# Altium PCB PokeyMain.PcbDoc (part 2 of 3) (continued)
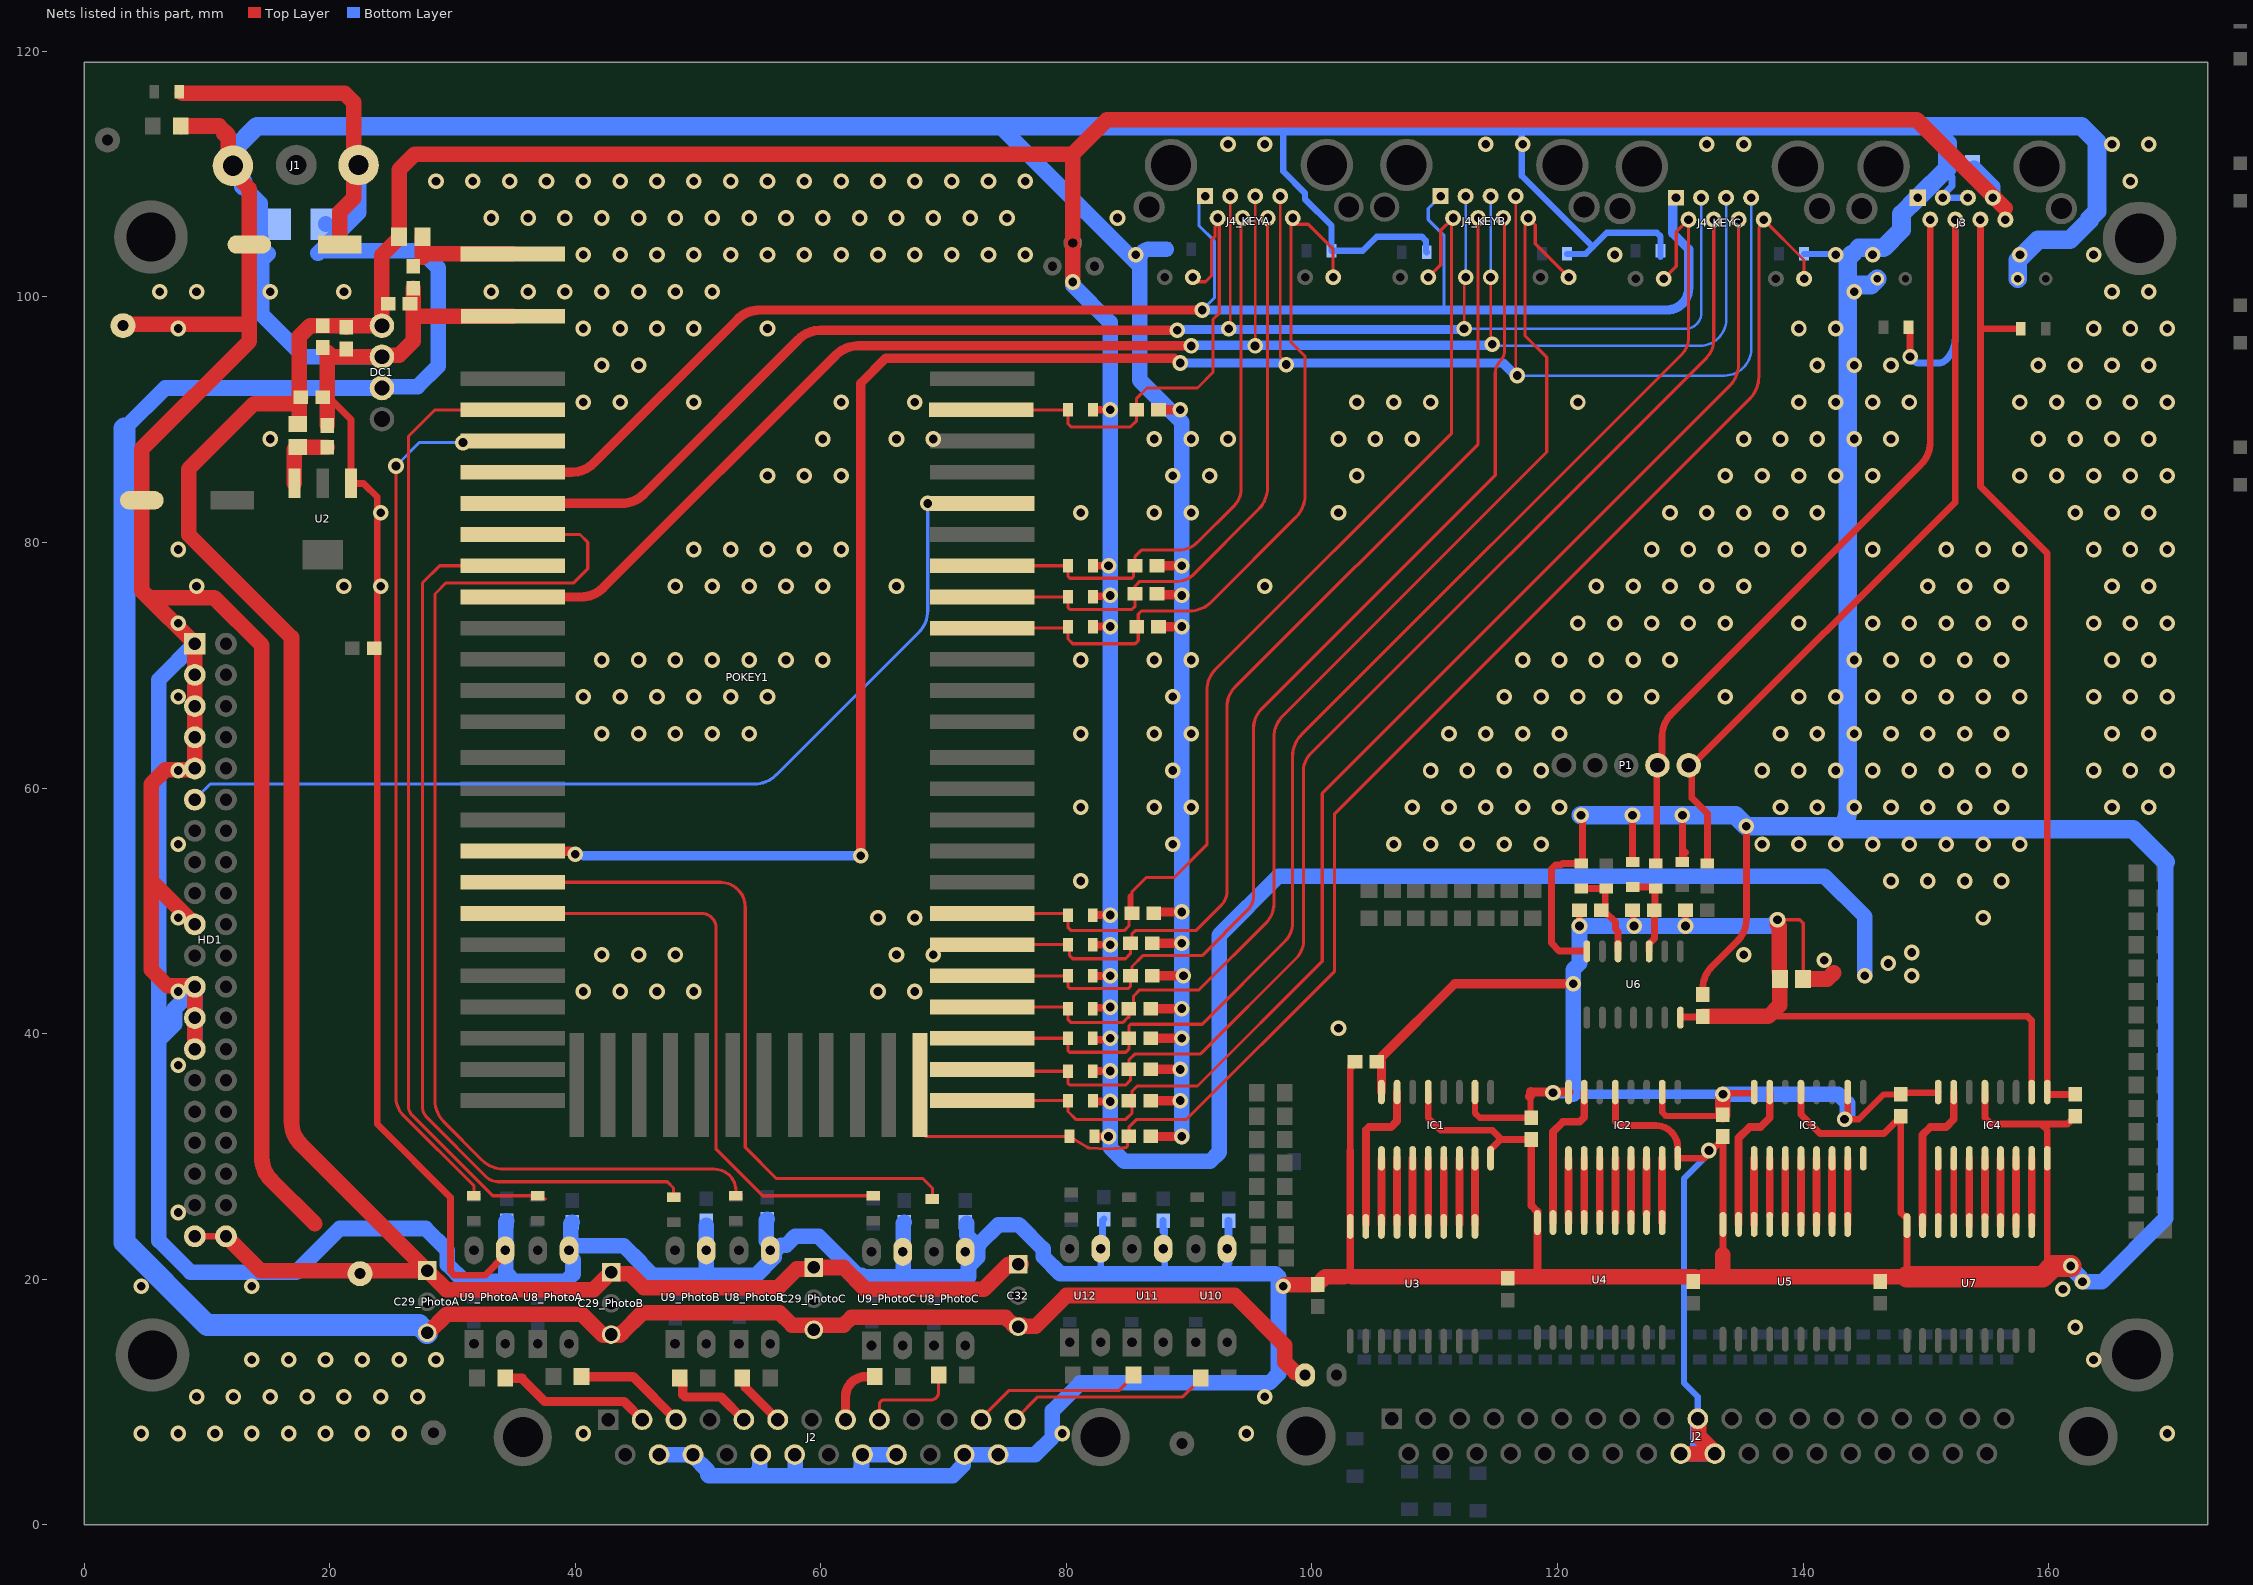
[diagram p2: the nets of this part, all layers, seen from the top]
## Nets (pads, with @x,y where several pads share a name; then routed paths per layer and width w, separated by ;. In a path a pad name is that pad's centre, name@x,y a point inside that pad or via, vN(x,y) a via of type N, cw(c..) or ccw(c..) an arc to the next point about the centre after c; other vN are vias at no path point) (continued)
  Top Layer w0.635: 102.616,20.193 103.124,20.701 103.124,24.302 103.124,30.48 ; C22.1@117.856,31.369 117.856,26.01 118.364,25.502 U4.9@118.364,24.614 118.364,20.193
  Top Layer w0.762: C28_KEYC.1@86.868,31.623 v1(89.408,31.623) ; C27_KEYC.1@86.868,34.544 v1(89.281,34.544) ; C26_KEYC.1@86.868,37.084 v1(89.281,37.084) ; C25_KEYC.1@86.868,39.624 v1(89.408,39.624) ; C28_KEYB.1@86.868,42.037 v1(89.408,42.037) ; C27_KEYB.1@86.995,44.704 v1(89.535,44.704) ; C26_KEYB.1@86.995,47.371 v1(89.408,47.371) ; C25_KEYB.1@87.122,49.784 87.249,49.911 v1(89.408,49.911) ; C27_KEYA.1@87.376,75.819 87.439,75.755 89.344,75.755 v1(89.408,75.692) ; C26_KEYA.1@87.376,78.105 v1(89.408,78.105) ; C28_KEYA.1@87.503,73.152 v1(89.408,73.152) ; C25_KEYA.1@87.503,90.805 v1(89.281,90.805)
  Top Layer w1.27: TP0V.1@3.175,97.663 3.302,97.79 13.462,97.79 ; LED1.2@7.938,113.855 7.874,113.855 LED1.2@7.874,113.919 10.993,113.919 11.737,113.175 11.737,112.929 ; HD1.27@9.017,38.735 HD1.25@9.017,41.275 HD1.23@9.017,43.815 8.92,43.912 6.761,43.912 6.097,44.576 5.461,45.212 5.461,52.451 ; HD1.19@9.017,48.895 5.461,52.451 ; 11.382,113.284 11.737,112.929 ; J1.3@12.125,110.677 J1.3@11.737,111.066 ; 18.796,24.511 15.222,28.085 cw(c17.018,29.881) 14.478,29.881 14.478,71.628 10.604,75.502 5.271,75.502 ; C10.1@19.812,89.535 19.812,91.567 19.812,95.504 20.193,95.123 DC1.2@24.257,95.123 24.397,95.263 25.667,95.263 26.797,96.393 26.797,98.425 ; C2.1@26.797,100.711 26.797,98.425 ; POKEY1.1@34.928,98.425 26.797,98.425 ; U9_PhotoB.3@50.673,22.352 U9_PhotoB.3@50.722,22.401 ; v1(97.663,19.431) 97.79,19.558 C180.2@100.457,19.558 101.092,20.193 102.616,20.193 ; 103.251,20.193 115.951,20.193 118.364,20.193 C170.1@131.191,20.193 ; J2.28@130.043,5.796 J2.29@132.813,5.796 ; J2.10@131.428,8.636 131.428,8.522 131.508,8.442 131.508,7.214 132.813,5.91 J2.29@132.813,5.796 ; 131.808,20.193 133.604,20.193 ; J2.29@132.893,5.716 J2.29@132.813,5.796 ; 133.477,21.971 133.477,20.32 133.604,20.193 ; 148.463,20.193 146.304,20.193 133.604,20.193 ; 5.271,75.502 8.763,72.009 HD1.1@9.017,71.755 HD1.9@9.017,61.595 8.92,61.498 6.634,61.498 5.461,60.325 5.461,52.451 ; 5.271,75.502 4.699,76.073 C5.2@4.699,83.439 4.699,87.63 13.462,96.393 13.462,97.79 ; J1.3@11.737,111.066 11.737,110.516 13.462,108.791 C3.2@13.462,104.267 13.462,97.79 ; J1.3@11.737,111.066 11.737,112.929
  Top Layer w1.778: 148.463,20.193 159.512,20.193 160.401,21.082 v1(161.798,21.082)
  Bottom Layer w0.508: 97.663,113.895 97.663,110.236 99.439,108.46 99.439,107.952 101.6,105.791 R27_KEYA.1@101.6,103.759 104.14,103.759 105.283,104.902 108.966,104.902 109.286,104.582 109.286,103.693 R23_KEYB.2@109.347,103.632 ; 117.094,113.895 117.094,109.855 122.872,104.076 ; R27_KEYB.1@120.777,103.505 122.301,103.505 122.872,104.076 ; R23_KEYC.2@128.397,103.251 R23_KEYC.2@128.397,103.759 128.397,104.922 128.099,105.22 124.016,105.22 122.872,104.076 ; J2.10@131.428,8.636 131.428,10.431 130.302,11.557 130.302,28.194 132.334,30.226 v2(132.334,30.48) ; R27_KEYC.1@140.081,103.505 144.022,103.505 144.53,104.013
  Bottom Layer w0.559: 82.804,20.447 U12.3@82.804,22.479 82.931,22.606 82.931,24.765 C35.1@83.058,24.892 ; C34.1@87.884,24.765 87.884,23.876 88.011,24.003 88.011,20.447 ; 92.979,20.447 92.979,21.082 ; 152.146,109.769 152.146,109.048 151.38,108.282 J3.3@151.38,108.079 J3.5@153.42,108.079
  Bottom Layer w0.635: 92.979,21.082 93.218,21.321 C33.1@93.218,24.765
  Bottom Layer w1.27: HD1.27@9.017,38.735 HD1.25@9.017,41.275 HD1.23@9.017,43.678 ; HD1.23@9.017,43.815 HD1.23@9.017,43.678 ; HD1.1@9.017,71.755 6.096,68.834 6.096,39.497 ; 12.953,109.017 14.351,107.619 14.351,104.914 14.371,104.894 14.371,104.12 14.986,103.505 14.478,102.997 14.478,98.552 17.907,95.123 DC1.2@24.257,95.123 ; C31_PhotoA.1@34.417,24.765 34.339,24.687 34.339,22.401 U9_PhotoA.3@34.29,22.352 34.339,22.303 34.339,20.525 35.052,19.812 ; U8_PhotoA.3@39.497,22.352 39.497,21.902 39.818,21.581 39.818,20.418 39.212,19.812 35.052,19.812 ; U8_PhotoA.3@39.624,22.929 39.624,24.511 C30_PhotoA.1@39.751,24.638 ; U8_PhotoA.3@40.074,22.733 43.942,22.733 45.339,21.336 45.339,21.287 46.306,20.32 50.673,20.32 ; J2.15@46.83,5.715 J2.16@49.591,5.715 49.591,5.601 50.8,4.392 50.8,4.064 50.883,3.981 54.527,3.981 ; U9_PhotoB.3@50.673,22.352 50.673,20.32 ; U9_PhotoB.3@50.673,23.045 C31_PhotoB.1@50.673,24.39 ; J2.18@55.113,5.715 55.032,5.635 55.032,4.486 54.527,3.981 ; C30_PhotoB.1@55.626,24.892 55.548,24.814 55.548,23.134 55.831,22.85 U8_PhotoB.3@55.831,22.469 ; U8_PhotoB.3@56.09,21.888 56.09,22.101 56.766,22.777 57.194,22.777 57.912,23.495 59.817,23.495 62.992,20.32 63.324,20.32 63.451,20.193 67.056,20.193 ; U8_PhotoB.3@56.197,21.78 54.737,20.32 50.673,20.32 ; J2.19@57.874,5.715 57.912,5.677 57.912,3.981 ; J2.22@66.157,5.715 J2.21@63.396,5.715 63.316,5.635 63.316,4.515 62.782,3.981 ; C31_PhotoC.1@66.802,24.638 66.724,24.56 66.724,22.274 U9_PhotoC.3@66.675,22.225 66.724,22.176 66.724,20.525 67.056,20.193 ; C30_PhotoC.1@71.882,24.56 71.882,23.564 72.771,22.675 72.771,21.775 72.027,21.031 72.027,20.193 67.056,20.193 ; 72.82,22.723 72.898,22.802 72.898,22.86 74.467,24.429 76.138,24.429 78.103,22.464 78.103,21.846 79.502,20.447 82.804,20.447 88.011,20.447 92.979,20.447 97.028,20.447 97.282,20.193 97.282,12.301 96.538,11.557 81.153,11.557 78.864,9.268 78.864,7.112 77.467,5.715 J2.25@74.44,5.715 J2.24@71.679,5.715 71.599,5.635 71.599,4.855 70.725,3.981 62.782,3.981 ; 74.591,113.895 85.979,102.507 ; R23_KEYA.2@88.138,103.886 86.794,103.886 ccw(c86.794,103.071) 85.979,103.071 85.979,102.507 ; v1(89.408,31.623) v1(89.408,39.624) v1(89.408,42.037) v1(89.408,47.371) v1(89.408,49.911) v1(89.408,73.152) v1(89.408,75.692) v1(89.408,78.105) 89.408,89.789 85.979,93.218 85.979,102.507 ; J2.28@130.043,5.796 131.428,5.796 ; J2.10@131.428,8.636 131.428,5.796 ; J2.29@132.813,5.796 131.428,5.796 ; v1(161.798,21.082) 161.798,20.955 v1@162.56,20.193 ; v1(162.758,19.78) 164.342,19.78 169.545,24.983 169.545,53.975 ; 6.096,39.497 6.096,23.139 8.661,20.574 17.272,20.574 20.828,24.13 27.813,24.13 29.591,22.352 29.591,21.199 30.959,19.831 33.885,19.831 33.904,19.812 35.052,19.812 ; 6.096,39.497 7.366,40.767 7.366,42.027 HD1.23@9.017,43.678 ; 54.527,3.981 57.912,3.981 ; 57.912,3.981 62.782,3.981
  Bottom Layer w1.524: 12.953,109.017 12.953,109.368 12.125,110.196 J1.3@12.125,110.677 12.192,110.744 12.192,112.01 14.077,113.895 74.591,113.895 97.663,113.895 117.094,113.895 150.392,113.895 ; v1(121.92,57.785) v1(126.111,57.785) v1(130.175,57.785) 134.493,57.785 v1(135.382,56.896) 142.389,56.896 cw(c142.389,56.029) 143.002,56.642 ; 144.022,103.505 143.637,103.12 143.637,100.965 ; 144.53,104.013 146.558,104.013 148.014,105.469 148.014,106.753 J3.1@149.34,108.079 C15.2@151.765,110.504 ; J3.L1-@146.05,101.479 145.536,100.965 143.637,100.965 ; C15.2@151.765,110.871 151.765,112.522 150.392,113.895 ; J3.L2-@157.48,101.479 157.48,102.993 159.141,104.655 161.741,104.655 163.326,106.24 163.326,106.362 163.944,106.98 163.944,112.626 162.675,113.895 150.392,113.895 ; 169.545,53.975 166.878,56.642 143.002,56.642 ; 143.002,56.642 ccw(c141.469,58.175) 143.637,58.175 143.637,100.965
  other v1: 4.663,7.431 7.663,7.431 10.663,7.431 13.663,7.431 16.663,7.431 19.663,7.431 22.663,7.431 25.663,7.431 40.663,7.431 79.663,7.431 94.663,7.431 169.663,7.431 9.163,10.431 12.163,10.431 15.163,10.431 18.163,10.431 21.163,10.431 24.163,10.431 27.163,10.431 96.163,10.431 13.663,13.431 16.663,13.431 19.663,13.431 22.663,13.431 25.663,13.431 28.663,13.431 163.663,13.431 162.163,16.078 161.163,19.177 4.663,19.431 13.663,19.431 7.663,25.431 7.663,37.431 102.163,40.431 7.663,43.431 40.663,43.431 43.663,43.431 46.663,43.431 49.663,43.431 64.663,43.431 67.663,43.431 42.163,46.431 45.163,46.431 48.163,46.431 66.163,46.431 69.163,46.431 135.163,46.431 7.663,49.431 64.663,49.431 67.663,49.431 154.663,49.431 81.163,52.431 147.163,52.431 150.163,52.431 153.163,52.431 156.163,52.431 7.663,55.431 88.663,55.431 106.663,55.431 109.663,55.431 112.663,55.431 115.663,55.431 118.663,55.431 136.663,55.431 139.663,55.431 142.663,55.431 145.663,55.431 148.663,55.431 151.663,55.431 154.663,55.431 157.663,55.431 81.163,58.431 87.163,58.431 90.163,58.431 108.163,58.431 111.163,58.431 114.163,58.431 117.163,58.431 120.163,58.431 138.163,58.431 141.163,58.431 144.163,58.431 147.163,58.431 150.163,58.431 153.163,58.431 156.163,58.431 165.163,58.431 168.163,58.431 7.663,61.431 88.663,61.431 109.663,61.431 112.663,61.431 115.663,61.431 118.663,61.431 136.663,61.431 139.663,61.431 142.663,61.431 145.663,61.431 148.663,61.431 151.663,61.431 154.663,61.431 157.663,61.431 163.663,61.431 166.663,61.431 169.663,61.431 42.163,64.431 45.163,64.431 48.163,64.431 51.163,64.431 54.163,64.431 81.163,64.431 87.163,64.431 90.163,64.431 111.163,64.431 114.163,64.431 117.163,64.431 120.163,64.431 138.163,64.431 141.163,64.431 144.163,64.431 147.163,64.431 150.163,64.431 153.163,64.431 156.163,64.431 165.163,64.431 168.163,64.431 7.663,67.431 40.663,67.431 43.663,67.431 46.663,67.431 49.663,67.431 52.663,67.431 55.663,67.431 88.663,67.431 115.663,67.431 118.663,67.431 121.663,67.431 124.663,67.431 127.663,67.431 133.663,67.431 139.663,67.431 142.663,67.431 145.663,67.431 148.663,67.431 151.663,67.431 154.663,67.431 157.663,67.431 163.663,67.431 166.663,67.431 169.663,67.431 42.163,70.431 45.163,70.431 48.163,70.431 51.163,70.431 54.163,70.431 57.163,70.431 60.163,70.431 81.163,70.431 87.163,70.431 90.163,70.431 117.163,70.431 120.163,70.431 123.163,70.431 126.163,70.431 129.163,70.431 144.163,70.431 147.163,70.431 150.163,70.431 153.163,70.431 156.163,70.431 165.163,70.431 168.163,70.431 7.663,73.431 121.663,73.431 124.663,73.431 127.663,73.431 130.663,73.431 133.663,73.431 139.663,73.431 145.663,73.431 148.663,73.431 151.663,73.431 154.663,73.431 157.663,73.431 163.663,73.431 166.663,73.431 169.663,73.431 9.163,76.431 21.163,76.431 24.163,76.431 48.163,76.431 51.163,76.431 54.163,76.431 57.163,76.431 60.163,76.431 66.163,76.431 96.163,76.431 123.163,76.431 126.163,76.431 129.163,76.431 132.163,76.431 135.163,76.431 150.163,76.431 153.163,76.431 156.163,76.431 165.163,76.431 168.163,76.431 7.663,79.431 49.663,79.431 52.663,79.431 55.663,79.431 58.663,79.431 61.663,79.431 127.663,79.431 130.663,79.431 133.663,79.431 136.663,79.431 139.663,79.431 145.663,79.431 151.663,79.431 154.663,79.431 157.663,79.431 163.663,79.431 166.663,79.431 169.663,79.431 24.163,82.431 81.163,82.431 87.163,82.431 90.163,82.431 102.163,82.431 129.163,82.431 132.163,82.431 135.163,82.431 138.163,82.431 141.163,82.431 162.163,82.431 165.163,82.431 168.163,82.431 55.663,85.431 58.663,85.431 61.663,85.431 88.663,85.431 91.663,85.431 103.663,85.431 133.663,85.431 136.663,85.431 139.663,85.431 142.663,85.431 145.663,85.431 157.663,85.431 160.663,85.431 163.663,85.431 166.663,85.431 169.663,85.431 15.163,88.431 60.163,88.431 66.163,88.431 69.163,88.431 87.163,88.431 90.163,88.431 93.163,88.431 102.163,88.431 105.163,88.431 108.163,88.431 135.163,88.431 138.163,88.431 141.163,88.431 144.163,88.431 147.163,88.431 159.163,88.431 162.163,88.431 165.163,88.431 168.163,88.431 40.663,91.431 43.663,91.431 49.663,91.431 61.663,91.431 67.663,91.431 103.663,91.431 106.663,91.431 109.663,91.431 121.663,91.431 139.663,91.431 142.663,91.431 145.663,91.431 148.663,91.431 157.663,91.431 160.663,91.431 163.663,91.431 166.663,91.431 169.663,91.431 42.163,94.431 45.163,94.431 141.163,94.431 144.163,94.431 147.163,94.431 159.163,94.431 162.163,94.431 165.163,94.431 168.163,94.431 7.663,97.431 40.663,97.431 43.663,97.431 46.663,97.431 49.663,97.431 55.663,97.431 139.663,97.431 142.663,97.431 163.663,97.431 166.663,97.431 169.663,97.431 6.163,100.431 9.163,100.431 15.163,100.431 21.163,100.431 33.163,100.431 36.163,100.431 39.163,100.431 42.163,100.431 45.163,100.431 48.163,100.431 51.163,100.431 144.163,100.431 165.163,100.431 168.163,100.431 40.663,103.431 43.663,103.431 46.663,103.431 49.663,103.431 52.663,103.431 55.663,103.431 58.663,103.431 61.663,103.431 64.663,103.431 67.663,103.431 70.663,103.431 73.663,103.431 76.663,103.431 85.663,103.431 124.663,103.431 142.663,103.431 145.663,103.431 157.663,103.431 163.663,103.431 33.163,106.431 36.163,106.431 39.163,106.431 42.163,106.431 45.163,106.431 48.163,106.431 51.163,106.431 54.163,106.431 57.163,106.431 60.163,106.431 63.163,106.431 66.163,106.431 69.163,106.431 72.163,106.431 75.163,106.431 84.163,106.431 28.663,109.431 31.663,109.431 34.663,109.431 37.663,109.431 40.663,109.431 43.663,109.431 46.663,109.431 49.663,109.431 52.663,109.431 55.663,109.431 58.663,109.431 61.663,109.431 64.663,109.431 67.663,109.431 70.663,109.431 73.663,109.431 76.663,109.431 166.663,109.431 93.163,112.431 96.163,112.431 114.163,112.431 117.163,112.431 132.163,112.431 135.163,112.431 165.163,112.431 168.163,112.431
INA1: J2.3@48.21,8.555 LED2_PhotoA.2 | length 9.2
  Top Layer w0.762: LED2_PhotoA.2@40.513,12.065 44.7,12.065 J2.3@48.21,8.555
INA2: J2.6@56.493,8.555 LED2_PhotoB.2 | length 4.6
  Top Layer w0.762: LED2_PhotoB.2@53.594,11.938 53.848,11.684 53.848,11.2 J2.6@56.493,8.555
INA3: J2.9@64.776,8.555 LED2_PhotoC.2 | length 8
  Top Layer w0.254: J2.9@64.776,8.555 64.77,8.561 64.77,9.779 cw(c65.151,9.779) 65.151,10.16 68.961,10.16 ccw(c68.961,10.795) 69.596,10.795 LED2_PhotoC.2@69.596,12.192
INB1: J2.2@45.449,8.555 LED3_PhotoA.2 | length 12.6
  Top Layer w0.762: LED3_PhotoA.2@34.29,11.938 35.687,11.938 35.687,11.865 37.519,10.033 41.578,10.033 41.58,10.035 43.969,10.035 J2.2@45.449,8.555
INB2: J2.5@53.732,8.555 LED3_PhotoB.2 | length 7.3
  Top Layer w0.762: LED3_PhotoB.2@48.514,11.938 48.768,11.684 48.768,10.601 48.96,10.408 51.879,10.408 J2.5@53.732,8.555
INB3: J2.8@62.015,8.555 LED3_PhotoC.2 | length 5.2
  Top Layer w0.762: J2.8@62.015,8.555 62.015,10.414 cw(c63.666,10.414) 62.71,11.76 cw(c63.666,10.414) 63.666,12.065 LED3_PhotoC.2@64.389,12.065
KEY4_LATCH: J3.2 P1.4 R3.2 | length 61.3
  Top Layer w0.559: R3.2@128.016,53.848 128.079,53.911 128.079,61.785 P1.4@128.143,61.849 ; P1.4@128.524,61.849 128.524,64.226 cw(c131.064,64.226) 129.268,66.022 149.616,86.37 ccw(c147.82,88.166) 150.36,88.166 J3.2@150.36,106.299
KEY4_MOSI: C14.2 IC4.9 J3.6 R19.1 | length 79.1
  Top Layer w0.559: J3.6@154.44,106.299 154.44,97.536 ; R19.1@157.734,97.409 154.567,97.409 154.44,97.536 ; C14.2@162.179,35.052 159.897,35.052 159.893,35.056 IC4.9@159.893,35.245 159.893,73.406 159.893,79.121 154.44,84.574 154.44,97.536
KEY4_SCK: J3.4 P1.5 R2.2 R15.2 | length 79.4
  Top Layer w0.559: P1.5@130.683,61.849 130.937,61.595 130.937,59.182 132.207,57.912 R2.2@132.207,53.848 ; P1.5@131.191,61.849 131.191,62.103 152.4,83.312 J3.4@152.4,106.299 ; R15.2@148.59,97.536 cw(c148.283,97.229) 148.717,97.229 v1(148.717,95.123)
  Bottom Layer w0.559: v1(148.717,95.123) 148.59,95.123 148.829,94.884 ccw(c149.479,95.535) 149.479,94.615 151.025,94.615 ccw(c151.025,95.482) 151.638,94.869 151.656,94.887 ccw(c149.86,96.683) 152.4,96.683 J3.4@152.4,106.299
KEY11: C25_KEYA.2 J4_KEYA.2 J4_KEYA.L1+ POKEY1.60 R8_KEYA.2 | length 42.2
  Top Layer w0.254: POKEY1.60@73.075,90.805 80.01,90.805 R8_KEYA.2@80.073,90.868 ; R8_KEYA.2@80.137,90.805 80.137,89.662 80.391,89.408 85.217,89.408 85.725,89.916 C25_KEYA.2@85.725,90.805 85.725,91.736 86.572,92.583 90.678,92.583 91.948,93.853 91.948,98.171 92.456,98.679 92.456,105.781 ; J4_KEYA.L1+@90.299,101.098 90.437,101.236 91.33,101.236 91.821,101.727 91.821,104.648 92.119,104.946 92.119,105.718 92.319,105.918 92.456,105.781 ; J4_KEYA.2@92.322,106.425 92.456,106.291 92.456,105.781
KEY12: C25_KEYB.2 J4_KEYB.2 J4_KEYB.L1+ POKEY1.44 R8_KEYB.2 | length 90.2
  Top Layer w0.254: POKEY1.44@73.155,49.784 79.996,49.784 R8_KEYB.2@80.123,49.657 80.123,48.655 80.391,48.387 84.709,48.387 85.09,48.768 85.09,51.181 85.344,51.435 ; C25_KEYB.2@85.344,49.784 85.344,51.435 ; J4_KEYB.L1+@109.478,101.606 110.492,102.62 110.492,105.42 111.381,106.309 111.381,106.311 J4_KEYB.2@111.498,106.428 ; J4_KEYB.2@111.379,106.307 111.379,88.9 92.184,69.705 ccw(c93.98,67.909) 91.44,67.909 91.44,55.372 88.773,52.705 86.487,52.705 85.344,51.562 85.344,51.435
KEY13: C25_KEYC.2 J4_KEYC.2 J4_KEYC.L1+ POKEY1.40 R8_KEYC.2 | length 108.4
  Top Layer w0.254: POKEY1.40@73.155,39.624 R8_KEYC.2@80.123,39.624 80.123,38.63 80.272,38.481 84.836,38.481 85.09,38.735 C25_KEYC.2@85.09,39.624 85.09,40.618 85.239,40.767 91.059,40.767 97.79,47.498 ccw(c96.257,49.031) 97.791,47.499 ccw(c96.257,49.031) 98.425,49.031 98.425,62.575 cw(c100.965,62.575) 99.169,64.371 130.112,95.313 ccw(c128.732,96.693) 130.683,96.693 130.683,106.299 J4_KEYC.2@130.673,106.299 ; J4_KEYC.L1+@128.653,101.479 129.669,102.495 129.669,105.295 J4_KEYC.2@130.673,106.299 ; J4_KEYC.2@130.671,106.297 J4_KEYC.2@130.673,106.299 ; J4_KEYC.2@130.737,106.232 J4_KEYC.2@130.798,106.293
KEY21: C26_KEYA.2 J4_KEYA.4 POKEY1.55 R9_KEYA.2 | length 48.3
  Top Layer w0.254: POKEY1.55@73.155,78.105 R9_KEYA.2@80.137,78.105 80.137,77.238 80.286,77.089 85.344,77.089 85.471,77.216 85.471,77.978 C26_KEYA.2@85.598,78.105 85.598,78.867 86.106,79.375 89.154,79.375 ccw(c89.154,81.521) 90.671,80.003 ; 90.672,80.004 93.662,82.995 ccw(c92.283,84.374) 94.234,84.374 94.234,106.297 J4_KEYA.4@94.362,106.425
KEY22: C26_KEYB.2 J4_KEYB.4 POKEY1.43 R9_KEYB.2 | length 87.5
  Top Layer w0.254: POKEY1.43@73.155,47.244 R9_KEYB.2@80.123,47.244 80.264,47.103 80.264,46.355 80.518,46.101 84.814,46.101 85.217,46.504 C26_KEYB.2@85.217,47.371 85.344,47.498 85.344,48.133 85.598,48.387 90.551,48.387 92.583,50.419 ccw(c91.357,51.645) 93.091,51.645 93.091,66.666 cw(c95.259,66.666) 93.725,68.198 cw(c95.259,66.666) 93.726,68.199 113.536,88.009 J4_KEYB.4@113.536,106.426
KEY23: C26_KEYC.2 J4_KEYC.4 POKEY1.39 R9_KEYC.2 | length 106
  Top Layer w0.254: POKEY1.39@73.155,37.084 73.304,36.935 R9_KEYC.2@80.123,36.935 80.123,35.963 80.272,35.814 84.836,35.814 85.217,36.195 C26_KEYC.2@85.217,37.084 ; C26_KEYC.2@85.09,37.084 85.09,37.846 85.598,38.354 90.932,38.354 98.742,46.164 ccw(c97.363,47.544) 99.314,47.544 99.314,61.422 cw(c101.265,61.422) 99.885,62.801 132.143,95.059 ccw(c130.744,96.459) 132.723,96.459 J4_KEYC.4@132.723,106.299
KEY31: C27_KEYA.2 J4_KEYA.6 POKEY1.54 R10_KEYA.2 | length 51.6
  Top Layer w0.254: POKEY1.54@73.155,75.565 R10_KEYA.2@80.137,75.565 80.137,74.698 80.286,74.549 85.344,74.549 85.598,74.803 C27_KEYA.2@85.598,75.819 85.598,76.454 85.979,76.835 89.071,76.835 ccw(c89.071,78.569) 90.297,77.343 95.641,82.687 ccw(c93.845,84.483) 96.385,84.483 96.385,106.408 J4_KEYA.6@96.402,106.425
KEY32: C27_KEYB.2 J4_KEYB.6 POKEY1.42 R10_KEYB.2 | length 90.9
  Top Layer w0.254: POKEY1.42@73.155,44.704 R10_KEYB.2@80.123,44.704 80.123,43.837 80.272,43.688 85.068,43.688 85.217,43.837 C27_KEYB.2@85.217,44.704 85.344,44.831 85.344,45.466 86.233,46.355 91.059,46.355 94.742,50.038 ccw(c93.516,51.264) 95.25,51.264 95.25,64.888 cw(c97.418,64.888) 95.884,66.42 cw(c97.418,64.888) 95.885,66.421 114.935,85.471 114.935,93.822 cw(c116.236,93.822) 115.316,94.742 ccw(c114.396,95.662) 115.697,95.662 115.697,106.305 J4_KEYB.6@115.576,106.426
KEY33: C27_KEYC.2 J4_KEYC.6 POKEY1.38 R10_KEYC.2 | length 109.6
  Top Layer w0.254: POKEY1.38@73.155,34.544 R10_KEYC.2@80.137,34.544 80.137,33.655 80.772,33.02 84.836,33.02 85.344,33.528 85.344,35.306 85.767,35.729 90.678,35.729 100.838,45.889 100.838,59.563 134.003,92.728 ccw(c132.207,94.524) 134.747,94.524 134.747,106.283 J4_KEYC.6@134.763,106.299
KEY41: C28_KEYA.2 J4_KEYA.8 J4_KEYA.L2+ POKEY1.53 R11_KEYA.2 | length 64.3
  Top Layer w0.254: POKEY1.53@73.155,73.025 80.01,73.025 R11_KEYA.2@80.137,73.152 80.137,72.136 80.518,71.755 85.598,71.755 85.852,72.009 85.852,73.025 C28_KEYA.2@85.725,73.152 85.852,73.279 85.852,74.168 86.106,74.422 90.043,74.422 ccw(c90.043,76.875) 91.777,75.14 98.697,82.06 ccw(c96.901,83.856) 99.441,83.856 99.441,95.17 98.298,96.313 98.298,106.281 J4_KEYA.8@98.442,106.425 ; J4_KEYA.8@98.442,105.918 99.695,105.918 101.729,103.884 J4_KEYA.L2+@101.729,101.098
KEY42: C28_KEYB.2 J4_KEYB.8 J4_KEYB.L2+ POKEY1.41 R11_KEYB.2 | length 102
  Top Layer w0.254: POKEY1.41@73.155,42.164 79.996,42.164 R11_KEYB.2@80.123,42.037 80.123,41.162 80.391,40.894 84.582,40.894 85.025,41.337 85.09,41.337 C28_KEYB.2@85.09,42.037 85.471,42.418 85.471,43.053 85.979,43.561 90.805,43.561 96.272,49.028 ; 96.273,49.029 ccw(c94.755,50.546) 96.901,50.546 96.901,64.099 cw(c99.441,64.099) 97.645,65.895 119.126,87.376 119.126,95.077 117.348,96.855 117.348,97.57 117.348,105.752 117.416,105.82 117.416,106.224 J4_KEYB.8@117.616,106.424 ; J4_KEYB.8@117.618,106.426 118.189,105.855 118.189,104.325 J4_KEYB.L2+@120.908,101.606
KEY43: C28_KEYC.2 J4_KEYC.8 J4_KEYC.L2+ POKEY1.37 R11_KEYC.2 | length 126.5
  Top Layer w0.254: POKEY1.37@68.075,35.814 68.075,32.096 68.548,31.623 R11_KEYC.2@80.264,31.623 81.697,30.748 ccw(c81.896,31.073) 81.875,30.693 83.382,30.609 ccw(c83.439,31.623) 83.517,30.61 84.749,30.705 84.855,30.713 84.983,30.841 84.983,31.516 C28_KEYC.2@85.09,31.623 85.09,32.385 85.725,33.02 89.789,33.02 101.854,45.085 101.854,57.912 135.654,91.712 ccw(c133.858,93.508) 136.398,93.508 136.398,105.625 136.791,106.018 J4_KEYC.8@136.791,106.297 ; J4_KEYC.8@136.805,106.287 140.083,103.009 J4_KEYC.L2+@140.083,101.479
LATCH1: C12.1 R3.1 R6.1 U6.3 | length 7.3
  Top Layer w0.559: R6.1@126.111,51.943 127.739,51.943 127.866,51.816 R3.1@128.016,51.816 127.953,51.752 127.953,50.102 C12.1@127.889,50.038 127.889,47.74 127.468,47.319 U6.3@127.468,46.703
MOSI1: C13.1 R4.1 R7.1 U6.5 | length 7.7
  Top Layer w0.559: R7.1@121.92,51.816 R4.1@123.952,51.816 123.888,51.752 123.888,49.974 123.825,49.911 123.875,49.911 124.714,49.072 124.714,48.514 124.928,48.3 U6.5@124.928,46.703
NA0: IC1.15 U3.8 | length 12.9
  Top Layer w0.635: U3.8@104.394,24.487 104.394,32.14 104.639,32.385 106.435,32.385 106.934,32.884 IC1.15@106.934,35.245
NA1: IC1.1 U3.7 | length 5.4
  Top Layer w0.635: U3.7@105.664,24.487 IC1.1@105.664,29.845
NA2: IC1.2 U3.6 | length 5.4
  Top Layer w0.635: U3.6@106.934,24.487 IC1.2@106.934,29.845
NA3: IC1.3 U3.5 | length 5.4
  Top Layer w0.635: U3.5@108.204,24.487 IC1.3@108.204,29.845
NA4: IC1.4 U3.4 | length 5.4
  Top Layer w0.635: U3.4@109.474,24.487 IC1.4@109.474,29.845
NA5: IC1.5 U3.3 | length 5.4
  Top Layer w0.635: U3.3@110.744,24.487 IC1.5@110.744,29.845
NA6: IC1.6 U3.2 | length 5.4
  Top Layer w0.635: U3.2@112.014,24.487 IC1.6@112.014,29.845
NA7: IC1.7 U3.1 | length 5.4
  Top Layer w0.635: U3.1@113.284,24.487 IC1.7@113.284,29.845
NA8: IC2.15 U4.8 | length 12.5
  Top Layer w0.635: U4.8@119.634,24.614 119.634,32.004 120.459,32.829 121.802,32.829 122.174,33.201 IC2.15@122.174,35.245
NA9: IC2.1 U4.7 | length 5.2
  Top Layer w0.635: U4.7@120.904,24.614 IC2.1@120.904,29.845
NA10: IC2.2 U4.6 | length 5.2
  Top Layer w0.635: U4.6@122.174,24.614 IC2.2@122.174,29.845
NA11: IC2.3 U4.5 | length 5.2
  Top Layer w0.635: U4.5@123.444,24.614 IC2.3@123.444,29.845
NA12: IC2.4 U4.4 | length 5.2
  Top Layer w0.635: U4.4@124.714,24.614 IC2.4@124.714,29.845
NA13: IC2.5 U4.3 | length 5.2
  Top Layer w0.635: U4.3@125.984,24.614 IC2.5@125.984,29.845
NA14: IC2.6 U4.2 | length 5.2
  Top Layer w0.305: U4.2@127.254,24.614 U4.2@127.254,25.313
  Top Layer w0.635: U4.2@127.254,25.313 IC2.6@127.254,29.845
NA15: IC2.7 U4.1 | length 5.2
  Top Layer w0.635: U4.1@128.524,24.614 IC2.7@128.524,29.845
NA16: IC3.15 U5.8 | length 12.4
  Top Layer w0.635: U5.8@134.747,24.463 134.747,31.496 135.636,32.385 136.525,32.385 137.287,33.147 IC3.15@137.287,35.245
NA17: IC3.1 U5.7 | length 5.4
  Top Layer w0.635: U5.7@136.017,24.463 IC3.1@136.017,29.845
NA18: IC3.2 U5.6 | length 5.4
  Top Layer w0.305: U5.6@137.287,24.463 U5.6@137.287,25.161
  Top Layer w0.635: U5.6@137.287,25.161 IC3.2@137.287,29.845
NA19: IC3.3 U5.5 | length 5.4
  Top Layer w0.635: U5.5@138.557,24.463 IC3.3@138.557,29.845
NA20: IC3.4 U5.4 | length 5.4
  Top Layer w0.635: U5.4@139.827,24.463 IC3.4@139.827,29.845
NA21: IC3.5 U5.3 | length 5.4
  Top Layer w0.635: U5.3@141.097,24.463 IC3.5@141.097,29.845
NA22: IC3.6 U5.2 | length 5.4
  Top Layer w0.635: U5.2@142.367,24.463 IC3.6@142.367,29.845
NA23: IC3.7 U5.1 | length 5.4
  Top Layer w0.635: U5.1@143.637,24.463 IC3.7@143.637,29.845
NA24: IC4.15 U7.8 | length 12.7
  Top Layer w0.635: U7.8@149.733,24.36 149.733,31.75 150.368,32.385 151.638,32.385 152.273,33.02 IC4.15@152.273,35.245
NA25: IC4.1 U7.7 | length 5.5
  Top Layer w0.305: U7.7@151.003,24.36 U7.7@151.003,24.765
  Top Layer w0.508: U7.7@151.003,24.765 IC4.1@151.003,29.845
NA26: IC4.2 U7.6 | length 5.5
  Top Layer w0.305: U7.6@152.273,24.36 U7.6@152.273,25.019
  Top Layer w0.508: U7.6@152.273,25.019 IC4.2@152.273,29.845
NA27: IC4.3 U7.5 | length 5.5
  Top Layer w0.635: U7.5@153.543,24.36 IC4.3@153.543,29.845
NA28: IC4.4 U7.4 | length 5.5
  Top Layer w0.305: U7.4@154.813,24.36 U7.4@154.813,25.059
  Top Layer w0.635: U7.4@154.813,25.059 IC4.4@154.813,29.845
NA29: IC4.5 U7.3 | length 5.5
  Top Layer w0.635: U7.3@156.083,24.36 IC4.5@156.083,29.845
NA30: IC4.6 U7.2 | length 5.5
  Top Layer w0.635: U7.2@157.353,24.36 IC4.6@157.353,29.845
NA31: IC4.7 U7.1 | length 5.5
  Top Layer w0.635: U7.1@158.623,24.36 IC4.7@158.623,29.845
NetC2_2: C2.2 F1.2 POKEY1.0 | length 9.2
  Top Layer w1.27: F1.2@27.554,104.902 27.539,104.887 27.539,103.231 27.813,103.505 POKEY1.0@34.925,103.505
NetC10_2: C10.2 F2.2 U2.3 | length 5.5
  Top Layer w1.27: U2.3@17.131,84.815 17.131,87.594 17.299,87.762 F2.2@17.399,87.762 19.807,87.762 C10.2@19.812,87.757